# Altium PCB main.PcbDoc (part 1 of 2) (continued)
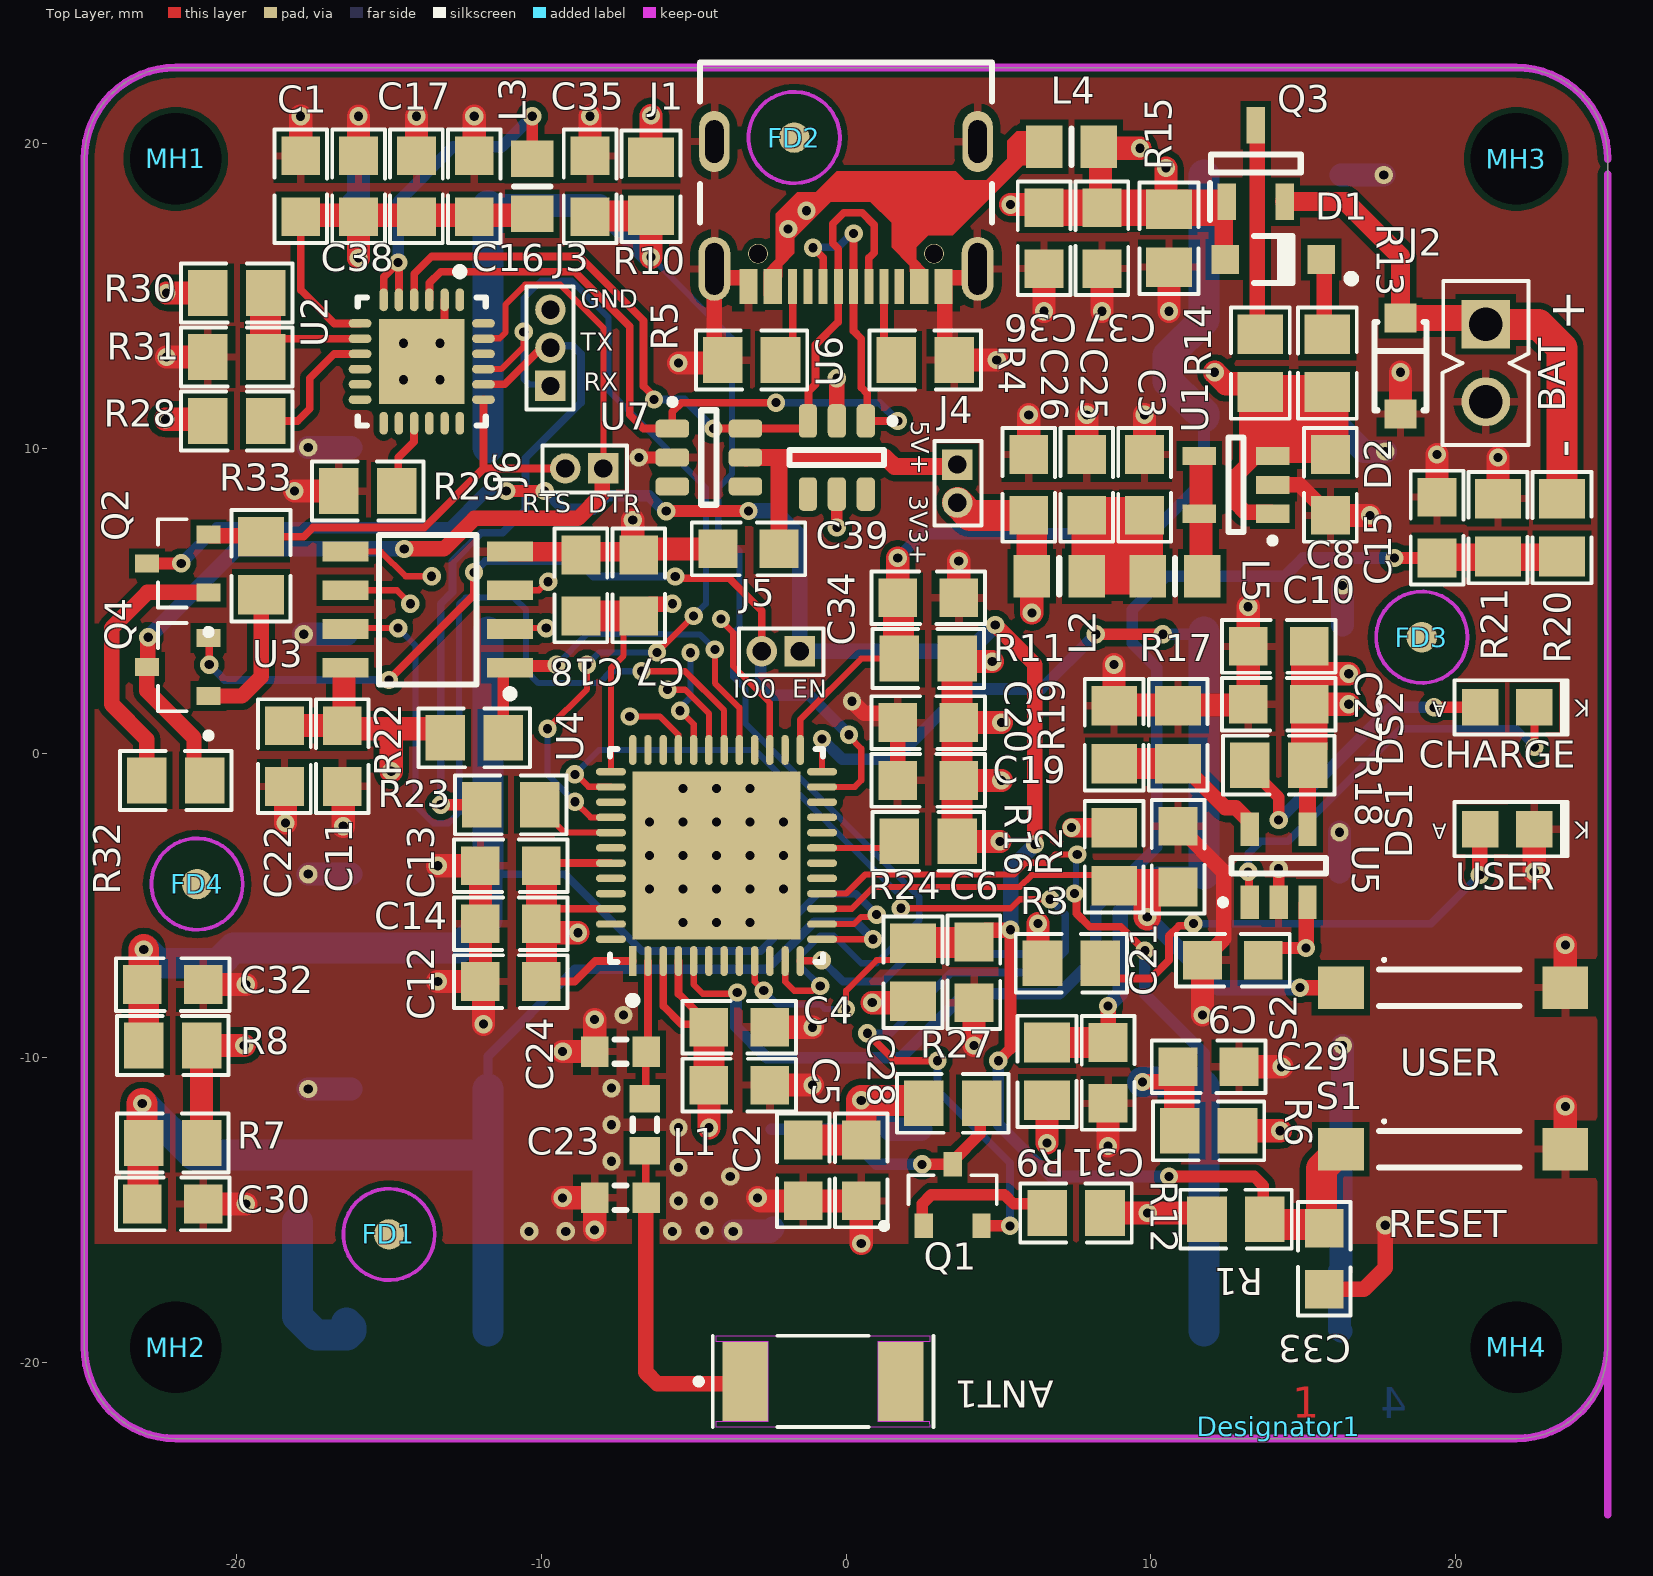
[diagram p0: Top Layer view]
## Board outline (continued)

## Design rules (kind name [scope] priority, off if disabled: settings)
Clearance [All] p1: gap=0.152 ignorepadtopadclearanceinfootprint=FALSE
HoleSize [All] p1: absolutevalues=TRUE maxlimit=25.4 minlimit=0.025 maxpercent=80.000 minpercent=20.000
MaxMinImpedance MaxMinImpedance_3 [InNet('GPIO8')] p1: minimum=48.00 maximum=52.00
MaxMinImpedance MaxMinImpedance_2 [InNet('GPIO7')] p2: minimum=48.00 maximum=52.00
MaxMinImpedance MaxMinImpedance_1 [InNet('CLK')] p3: minimum=48.00 maximum=52.00
MaxMinImpedance [InNet('GPIO10')] p4: minimum=48.00 maximum=52.00
MinimumSolderMaskSliver [All] p1: minsoldermaskwidth=0.071
PlaneConnect [All] p1: planeconnectstyle=Direct reliefexpansion=0.508 reliefentries=4 reliefconductorwidth=0.254 reliefairgap=0.254
PolygonConnect PolygonConnect_1 [IsPad] p1: connectstyle=Relief reliefconductorwidth=0.254 reliefentries=4 polygonreliefangle="90 Angle" airgapwidth=0.254
PolygonConnect [IsVia] p2: connectstyle=Direct reliefconductorwidth=0.254 reliefentries=4 polygonreliefangle="90 Angle" airgapwidth=0.254
RoutingVias [All] p1: holewidth=0.508 width=0.762 viastyle="Through Hole" minholewidth=0.254 minwidth=0.254 maxholewidth=0.762 maxwidth=1.27
SilkToSilkClearance [All] p1: silktosilkclearance=0.102
SilkToSolderMaskClearance [IsText] p1: minsilkscreentomaskgap=0.102 clearancetoexposedcopper=TRUE
SolderMaskExpansion [All] p1: expansion=0.102 istentingtop=FALSE
Width [All] p1: maxlimit=1.016 minlimit=0.102 preferedwidth=0.152
25 further rules are at their usual default settings.

## Classes and differential pairs
component class POWER-BATTERY: C3 C8 C9 C10 C15 C25 C26 C27 D1 D2 DS2 J2 L2 L5 Q3 R13 R14 R15 R17 R18 R19 R20 R21 U1 U5
component class SERIAL-CHIP: C1 C16 C17 C36 C37 C38 C39 J1 J3 J4 J5 J6 L3 L4 Q2 Q4 R4 R5 R28 R29 R30 R31 R32 R33 U2 U6 U7
component class RESET-SWITCHES: C2 C28 C29 C30 C31 C32 C33 C34 C35 FD1 FD2 FD3 FD4 LED1 MH1 MH2 MH3 MH4 Q1 R1 R6 R7 R8 R9 R10 R11 R12 R27 S1 S3 S4 S5 S6 S7 S8
component class ESP32-PICO-D4-MCU: ANT1 C4 C5 C6 C7 C11 C12 C13 C14 C18 C19 C20 C21 C22 C23 C24 DS1 L1 R2 R3 R16 R22 R23 R24 S2 U3 U4

## Components (designator, comment, footprint, x,y, rotation, side; value= is the part's Value field where it differs from the comment)
ANT1 "Fractus Antenna" Fractus_Antenna_NN01-102 -0.6,-20.6 r0 top
C1 "0.1uF" CAP_0805 -17.9,18.6 r270 top
C2 "0.1uF" CAP_0805 -1.4,-13.7 r90 top
C3 "10uF" CAP_0805 9.8,8.8 r270 top
C4 "0.1uF" CAP_0805 -3.5,-9 r180 top
C5 "0.1uF" CAP_0805 -3.5,-10.9 r180 top
C6 "1uF" CAP_0805 4.2,-7.2 r90 top
C7 "0.1uF" CAP_0805 -6.8,5.5 r270 top
C8 "10uF" CAP_0805 15.9,8.8 r90 top
C9 "10uF" CAP_0805 12.7,-6.8 r0 top
C10 "10uF" CAP_0805 14.2,3.5 r0 top
C11 "10uF" CAP_0805 -16.531,-0.1 r90 top locked
C12 "0.1uF" CAP_0805 -11,-7.5 r0 top
C13 "0.1uF" CAP_0805 -11,-3.7 r0 top
C14 "0.1uF" CAP_0805 -11,-5.6 r0 top
C15 "0.1uF" CAP_0805 19.4,7.4 r270 top
C16 "4.7uF" CAP_0805 -12.2,18.6 r270 top
C17 "0.1uF" CAP_0805 -14.1,18.6 r270 top
C18 "10uF" CAP_0805 -8.7,5.5 r270 top
C19 "10uF" CAP_0805 2.7,-0.9 r0 top
C20 "0.1uF" CAP_0805 2.7,1 r0 top
C21 "0.1uF" CAP_0805 10.9,-3.4 r270 top
C22 "0.1uF" CAP_0805 -18.431,-0.1 r90 top
C23 "1.2pF" CAPC1608N -7.4,-14.6 r0 top
C24 "1.5pF" CAPC1608N -7.4,-9.8 r0 top
C25 "0.1uF" CAP_0805 7.9,8.8 r270 top
C26 "0.1uF" CAP_0805 6,8.8 r270 top
C27 "0.1uF" CAP_0805 14.2,1.6 r0 top
C28 "10uF" CAP_0805 0.5,-13.7 r90 top
C29 "0.1uF" CAP_0805 11.9,-10.3 r180 top
C30 "0.1uF" CAP_0805 -22.1,-14.8 r180 top
C31 "0.1uF" CAP_0805 8.6,-10.5 r90 top
C32 "0.1uF" CAP_0805 -22.1,-7.6 r180 top
C33 "0.1uF" CAP_0805 15.7,-16.6 r90 top
C34 "0.1uF" CAP_0805 2.7,5.1 r180 top
C35 "0.1uF" CAP_0805 -8.4,18.6 r270 top
C36 "4.7uF" CAP_0805 6.5,16.9 r90 top
C37 "0.1uF" CAP_0805 8.4,16.9 r90 top
C38 "1uF" CAP_0805 -16,18.6 r270 top
C39 "0.1uF" CAP_0805 -3.2,6.7 r0 top
D1 "B130LAW-7-F" "SOD123 - DOT" 14.025,16.2 r0 top
D2 "P4SMF6.0A" SOD123FL 18.2,12.7 r90 top
Designator1 "Comment" "Mark 4-layers" 14.2,-22.1 r0 top net-tie
DS1 "LED BLUE" LED_0805 21.7,-2.5 r180 top
DS2 "LED ORANGE" LED_0805 21.7,1.5 r180 top
FD1 "Fiducial" FIDUCIAL-TB-1mm -15,-15.8 r0 top
FD2 "Fiducial" FIDUCIAL-TB-1mm -1.7,20.2 r0 top
FD3 "Fiducial" FIDUCIAL-TB-1mm 18.9,3.8 r0 top
FD4 "Fiducial" FIDUCIAL-TB-1mm -21.3,-4.3 r0 top
J1 "USB4105-GF-A" CON_USB_C_USB2.0_USB4105-GF-A -2.083,19.41 r180 top locked
J2 "BERSTICK 2.5MM, MALE" CON2_100_43D62_TH_ST 21,12.8 r270 top
J3 "1.25MM STARIGHT" CON3_probing_1.25mm -9.7,13.3 r90 top
J4 "653002114822" CON2_probing_1.25mm 3.656,8.844 r270 top
J5 "653002114822" CON2_probing_1.25mm -2.141,3.34 r180 top
J6 "653002114822" CON2_probing_1.25mm -8.589,9.34 r180 top
L1 "1.8nH" RESC1608N -6.6,-12.2 r90 top value=MPZ1608S601A
L2 "MH2029-601Y" INDC2012N 7,5.8 r180 top value=MPZ1608S601A
L3 "MH2029-601Y" INDC2012N -10.3,18.6 r90 top value=MPZ1608S601A
L4 "MH2029-601Y" INDC2012N 7.4,19.9 r0 top value=MPZ1608S601A
L5 "MBKK2012T1R0M" INDC2012N 10.8,5.8 r180 top value=MPZ1608S601A
LED1 "WS2812B" WS2812B 0,-14 r0 bottom
MH1 "Mounting Hole" MOUNTING-NO-COPPER#1 40.325,-19.452 r0 top
MH2 "Mounting Hole" MOUNTING-NO-COPPER#2 -17.841,-20.087 r0 top
MH3 "Mounting Hole" MOUNTING-NO-COPPER#3 21.91,-3.704 r0 top
MH4 "Mounting Hole" MOUNTING-NO-COPPER#4 17.211,-20.341 r0 top
Q1 "SS8050-G" TRANS_NPN_SS8050-G 3.278,-14.643 r90 top
Q2 "SS8050-G" TRANS_NPN_SS8050-G -21.8,6 r180 top
Q3 "MOSFET-P-30V-4A-AO3401A" P_channelMos_AO3401A 13.298,20.442 r90 top
Q4 "SS8050-G" TRANS_NPN_SS8050-G -21.8,2.6 r180 top
R1 "10K" RES_0805 12.8,-15.3 r180 top
R2 "10K" RES_0805 8.8,-3.4 r270 top
R3 "100R" RES_0805 7.4,-6.9 r180 top
R4 "5K1" RES_0805 2.6,12.9 r180 top
R5 "5K1" RES_0805 -3.1,12.9 r0 top
R6 "10K" RES_0805 11.9,-12.4 r180 top
R7 "10K" RES_0805 -22.1,-12.8 r180 top
R8 "10K" RES_0805 -22.1,-9.6 r180 top
R9 "10K" RES_0805 6.6,-10.45 r90 top
R10 "10K" RES_0805 -6.4,18.6 r270 top
R11 "10K" RES_0805 2.7,3.1 r180 top
R12 "1K" RES_0805 7.55,-15.1 r180 top
R13 "0R" RES_0805 15.8,12.8 r270 top
R14 "0R" RES_0805 13.6,12.8 r90 top
R15 "100K" RES_0805 10.6,16.9 r270 top
R16 "0R" RES_0805 2.7,-2.9 r0 top
R17 "10K" RES_0805 10.9,0.6 r270 top
R18 "2K2" RES_0805 14.2,-0.4 r0 top
R19 "2K2" RES_0805 8.8,0.6 r270 top
R20 "442k" RES_0805 23.5,7.4 r270 top
R21 "160k" RES_0805 21.4,7.4 r90 top
R22 "10K" RES_0805 -12.2,0.5 r0 top
R23 "510R" RES_0805 -11,-1.7 r0 top
R24 "100K" RES_0805 2.2,-7.2 r90 top
R27 "10K" RES_0805 3.5,-11.5 r0 top
R28 "5K1" RES_0805 -20,10.9 r0 top
R29 "10K" RES_0805 -15.7,8.6 r180 top
R30 "22K1" RES_0805 -20,15.1 r0 top
R31 "47K5" RES_0805 -20,13 r0 top
R32 "10K" RES_0805 -22,-0.9 r180 top
R33 "10K" RES_0805 -19.2,6.15 r270 top
S1 "Button Tactile Switch, NO 0.05 A 0.8mm" Button8014X17N 19.8,-13 r0 top
S2 "Button Tactile Switch, NO 0.05 A 0.8mm" Button8014X17N 19.8,-7.7 r0 top
S3 "PTS645SM43SMTR92LFS" "C&K_0_MFG - duplicate" 14,-15 r270 bottom locked
S4 "PTS645SM43SMTR92LFS" "C&K_0_MFG - duplicate" -14,-15 r90 bottom locked
S5 "PTS645SM43SMTR92LFS" "C&K_0_MFG - duplicate" -14,0 r90 bottom locked
S6 "PTS645SM43SMTR92LFS" "C&K_0_MFG - duplicate" 14,0 r270 bottom locked
S7 "PTS645SM43SMTR92LFS" "C&K_0_MFG - duplicate" -14,14 r90 bottom locked
S8 "PTS645SM43SMTR92LFS" "C&K_0_MFG - duplicate" 14,15 r270 bottom locked
U1 "SC189ZSKTRT" SOT23-5 12.8,8.8 r180 top
U2 "CP2102N-A02-GQFN24" QFN24-4X4 -13.925,12.85 r270 top
U3 "RAM_LY68L6400" SOP-8 -13.731,4.705 r180 top
U4 "ESP32-PICO-D4" Espressif_Systems_0_IPC_A -4.25,-3.363 r90 top
U5 "IC_MCP73831T-2ATI-OT_lipo_charger" SOT23-5 14.2,-3.7 r90 top
U6 "ESDALD05UD4" SOT26A-6N -0.3,9.7 r270 top
U7 "TPS2514DBVT" SOT26A-6N -4.5,9.7 r0 top

## Footprints (in the part's own frame and the unit in brackets; to place one, negate y for a bottom-side part, rotate by r counter-clockwise, add the part's x,y. Pads: shape width x height; smd on the part's side, far side on the other; paste and mask are expansions set on the pad)
Button8014X17N [mm] "Chip Inductor, 2-Leads, Body 8.00x1.40mm, IPC Medium Density"
  rect 1.5x1.4 smd: 1(-3.556,0) 2(3.81,0)
  silkscreen extent -2.3,-0.6 2.3,0.96, body extent -3.79,-1.92 4.21,1.78, height 2.5
"C&K_0_MFG - duplicate" [mm]
  rect 1.55x1.3 smd paste+0 mask+0: 1(-3.975,2.25) 2(3.975,2.25) 3(-3.975,-2.25) 4(3.975,-2.25)
  silkscreen extent -5.52,-3 3,3, body extent -4.5,-3.02 4.5,2.98, height 4.4
CAP_0805 [mm] "Ceramic Capacitor"
  rect 1.27x1.27 smd mask+0.076: 1(-1,0) 2(1,0)
  silkscreen extent -1.86,-0.86 1.86,0.86, body extent -1,-0.62 1,0.63, height 0.78
CAPC1608N [mm] "Chip Capacitor, Body 1.6x0.8mm(0603), IPC Medium Density"
  rect 0.9x1 smd: 1(-0.85,0) 2(0.85,0)
  silkscreen extent -0.2,-0.4 0.2,0.4, body extent -0.81,-0.4 0.79,0.4, height 0.87
CON2_100_43D62_TH_ST [mm] "Berg Strip"
  rect 1.6x1.6 hole 1.1: 1(-1.27,0)
  round 1.6 hole 1.1: 2(1.27,0)
  silkscreen extent -2.69,-1.42 2.69,1.4, body extent -2.54,-1.27 2.54,1.27, height 8.54
CON2_probing_1.25mm [mm] "Wurth Connector"
  rect 1x1 hole 0.6 mask+0.051: 1(-0.625,0)
  round 1 hole 0.6 mask+0.051: 2(0.625,0)
  silkscreen extent -1.4,-0.75 1.37,0.79
CON3_probing_1.25mm [mm] "Wurth Connector"
  rect 1x1 hole 0.6 mask+0.051: 1(-1.25,0)
  round 1 hole 0.6 mask+0.051: 2(0,0) 3(1.25,0)
  silkscreen extent -2.02,-0.75 2.01,0.79
CON_USB_C_USB2.0_USB4105-GF-A [mm]
  rect 0.6x1.15 smd: A1_B12(-5.283,4.095) A4_B9(-4.483,4.095) B1_A12(1.117,4.095) B4_A9(0.317,4.095)
  rect 0.3x1.15 smd: A5(-3.333,4.095) A6(-2.333,4.095) A7(-1.833,4.095) A8(-0.833,4.095) B5(-0.333,4.095) B6(-1.333,4.095) B7(-2.833,4.095) B8(-3.833,4.095)
  oval 1.05x2.1 hole 0.6 slot 1.7 at 90 deg: S1(-6.403,3.52) S4(2.237,3.52)
  oval 1x2 hole 0.6 slot 1.4 at 90 deg: S2(-6.403,-0.66) S3(2.237,-0.66)
  round 0.65 hole 0.6 unplated: ""(-4.973,3.02) ""(0.807,3.02)
  silkscreen extent -6.87,-3.26 2.71,1.99, body extent -6.85,-3.45 2.73,4.26, height 3.31
Espressif_Systems_0_IPC_A [mm] "QFN, 48-Leads, Body 6x6 mm, Pitch 0.4mm, IPC Medium Density"
  rect 0.985x0.242 smd paste+0 mask+0: 1(-3.463,2.75)
  rrect100% 0.985x0.242 smd paste+0 mask+0: 2(-3.463,2.25) 3(-3.463,1.75) 4(-3.463,1.25) 5(-3.463,0.75) 6(-3.463,0.25) 7(-3.463,-0.25) 8(-3.463,-0.75) 9(-3.463,-1.25) 10(-3.463,-1.75) 11(-3.463,-2.25) 12(-3.463,-2.75) 25(3.463,-2.75) 26(3.463,-2.25) 27(3.463,-1.75) 28(3.463,-1.25) 29(3.463,-0.75) 30(3.463,-0.25) 31(3.463,0.25) 32(3.463,0.75) 33(3.463,1.25) 34(3.463,1.75) 35(3.463,2.25) 36(3.463,2.75)
  rrect100% 0.242x0.985 smd paste+0 mask+0: 13(-2.75,-3.463) 14(-2.25,-3.463) 15(-1.75,-3.463) 16(-1.25,-3.463) 17(-0.75,-3.463) 18(-0.25,-3.463) 19(0.25,-3.463) 20(0.75,-3.463) 21(1.25,-3.463) 22(1.75,-3.463) 23(2.25,-3.463) 24(2.75,-3.463) 37(2.75,3.463) 38(2.25,3.463) 39(1.75,3.463) 40(1.25,3.463) 41(0.75,3.463) 42(0.25,3.463) 43(-0.25,3.463) 44(-0.75,3.463) 45(-1.25,3.463) 46(-1.75,3.463) 47(-2.25,3.463) 48(-2.75,3.463)
  rect 5.5x5.5 smd paste-1000 mask+0: 49(0,0)
  silkscreen extent -4.88,-3.5 3.5,3.5, body extent -4.46,-4.46 4.46,4.46, height 0.25
FIDUCIAL-TB-1mm [mm]
  round 1 all layers, no hole paste+0 mask+1: 0(0,0)
  Top Layer keep-out circle w0.127: c0,0 r1.5
  Bottom Layer keep-out circle w0.127: c0,0 r1.5
Fractus_Antenna_NN01-102 [mm]
  rect 1.5x2.6 smd: 1(-2.702,-0.025) 2(2.398,-0.025)
  Keep-Out Layer region: 3.348,1.275 1.648,1.275 1.648,-1.325 3.338,-1.325 3.348,-1.525 -3.652,-1.525 -3.652,-1.325 -1.952,-1.325 -1.952,1.275 -3.652,1.275 -3.652,1.475 3.348,1.475
  Keep-Out Layer region: 3.348,1.275 1.648,1.275 1.648,-1.325 3.338,-1.325 3.348,-1.525 -3.652,-1.525 -3.652,-1.325 -1.952,-1.325 -1.952,1.275 -3.652,1.275 -3.652,1.475 3.348,1.475
  silkscreen extent -4.33,-1.53 3.47,1.47, body extent -3.65,-1.53 3.35,1.47, height 2.2
INDC2012N [mm] "Chip Inductor, Body 2.0x1.3mm(0805), IPC Medium Density"
  rect 1.2x1.4 smd: 1(-0.9,0) 2(0.9,0)
  silkscreen extent 0,-0.6 0,0.6, body extent -1.02,-0.64 0.98,0.61, height 0.98
LED_0805 [mm] "LED"
  rect 1.2x1.2 smd mask+0.076: A(0.889,0) K(-0.889,0)
  silkscreen extent -1.99,-0.89 1.73,0.89, body extent -1.01,-0.62 1.01,0.63, height 1.1
"Mark 4-layers" [mm]
  Multi-Layer pour cut-out: 0,1.561 4.535,1.561 4.535,0 0,0
MOUNTING-NO-COPPER#1 [mm] "MH"
  round 0 hole 3: 1(-62.325,38.952)
MOUNTING-NO-COPPER#2 [mm] "MH"
  round 0 hole 3: 1(-4.159,0.587)
MOUNTING-NO-COPPER#3 [mm] "MH"
  round 0 hole 3: 1(0.09,23.204)
MOUNTING-NO-COPPER#4 [mm] "MH"
  round 0 hole 3: 1(4.789,0.841)
P_channelMos_AO3401A [mm]
  rect 1.2x0.6 smd: 1(-2.342,0.798) 2(-2.342,-1.102) 3(0.158,-0.152)
  silkscreen extent -2.94,-1.63 -0.79,1.35, body extent -2.62,-1.7 0.38,1.4, height 1.25
QFN24-4X4 [mm] "QFN, 24-Leads, Body 4x4mm, Pitch 0.5mm, IPC Medium Density"
  oval 0.75x0.28 smd: 1(-2.025,1.25) 2(-2.025,0.75) 3(-2.025,0.25) 4(-2.025,-0.25) 5(-2.025,-0.75) 6(-2.025,-1.25) 13(2.025,-1.25) 14(2.025,-0.75) 15(2.025,-0.25) 16(2.025,0.25) 17(2.025,0.75) 18(2.025,1.25)
  oval 0.28x0.75 smd: 7(-1.25,-2.025) 8(-0.75,-2.025) 9(-0.25,-2.025) 10(0.25,-2.025) 11(0.75,-2.025) 12(1.25,-2.025) 19(1.25,2.025) 20(0.75,2.025) 21(0.25,2.025) 22(-0.25,2.025) 23(-0.75,2.025) 24(-1.25,2.025)
  rect 2.8x2.8 smd: 25(0,0)
  silkscreen extent -3.07,-2.1 2.1,2.1, body extent -1.99,-1.99 2.01,2.01, height 1
RES_0805 [mm] "Resister"
  rect 1.3x1.5 smd mask+0.076: 1(0.95,0) 2(-0.95,0)
  silkscreen extent -1.83,-0.97 1.83,0.97, body extent -1,-0.63 1,0.62, height 0.5
RESC1608N [mm] "Chip Resistor, Body 1.6x0.8mm(0603), IPC Medium Density"
  rect 0.9x1 smd: 1(-0.85,0) 2(0.85,0)
  silkscreen extent -0.2,-0.4 0.2,0.4, body extent -0.84,-0.4 0.76,0.4, height 0.45
"SOD123 - DOT" [mm] "SOD123, 2-Leads, Body 2.7x1.55mm, Height 1.45mm"
  rect 0.9x0.95 smd: 1(-1.575,0) 2(1.575,0)
  silkscreen extent -0.64,-0.82 2.69,0.77, body extent -1.85,-0.8 1.85,0.8, height 1.27
SOD123FL [mm]
  rect 0.95x1.05 smd: 1(-1.575,0) 2(1.575,0)
  silkscreen extent -1.45,-0.85 1.45,0.85, body extent -1.8,-0.83 1.8,0.82, height 0.95
SOP-8 [mm]
  rect 1.5x0.65 smd: 1(-2.7,1.905) 2(-2.7,0.635) 3(-2.7,-0.635) 4(-2.7,-1.905) 5(2.7,-1.905) 6(2.7,-0.635) 7(2.7,0.635) 8(2.7,1.905)
  silkscreen extent -2.82,-2.45 1.6,2.89, body extent -3,-2.45 3,2.45, height 1.75
SOT23-5 [mm]
  rect 1.1x0.6 smd: 1(-1.2,0.95) 2(-1.2,0) 3(-1.2,-0.95) 4(1.2,-0.95) 5(1.2,0.95)
  silkscreen extent -1.3,-1.55 0.25,1.92, body extent -1.5,-1.5 1.5,1.5, height 1.3
SOT26A-6N [mm] "SOT23, 6-Leads, Body 2.9x1.7mm, Pitch 0.95mm, Lead Span 2.8mm, IPC Medium Density"
  rrect50% 1.1x0.6 smd: 1(-1.2,0.95) 2(-1.2,0) 3(-1.2,-0.95) 4(1.2,-0.95) 5(1.2,0) 6(1.2,0.95)
  silkscreen extent -1.3,-1.55 0.25,1.92, body extent -1.5,-1.55 1.5,1.55, height 1.4
TRANS_NPN_SS8050-G [mm]
  rect 0.8x0.6 smd: 1(-0.877,0.728) 2(-0.877,-1.172) 3(1.143,-0.222)
  silkscreen extent -0.98,-1.67 0.78,2.13, body extent -1.07,-1.67 1.33,1.23, height 1.14
WS2812B [mm]
  rect 1.5x0.9 smd: 1(2.45,-1.65) 2(2.45,1.65) 3(-2.45,1.65) 4(-2.45,-1.65)
  silkscreen extent -2.5,-2.5 2.5,2.5, body extent -2.7,-2.5 2.7,2.5, height 1.59

## Part data
ANT1: library part ANT_2.45GHz_Bluetooth_WLAN_Zigbee_1.7dBi_NN01-102, "2.45GHz Bluetooth, WLAN, Zigbe Chip RF Antenna 2.4GHz ~ 2.5GHz 1.7dBi Solder Surface Mount"
C1 C2 C4 C5 C7 C12 C13 C14 C17 C20 C21 C22 C29 C30 C31 C32 C33 C34 C35 C37 C39: library part CAP_0.1uF-50V-10%-0805, "0.1µF ±10% 50V Ceramic Capacitor X7R 0805 (2012 Metric)", Alternate Part Number-1=NA, Case/Package=0805, Manufacturer=Samsung, Manufacturer Part Number=CL21B104KBCNNNC, Supplier Part Number-1=0805B104K500CT, Supplier-1=SIRICOM
C3 C6 C8 C23 C24 C38: library part CAP_1uF-50V-10%-0805_1, "1µF ±10% 50V Ceramic Capacitor X7R 0805 (2012 Metric)", Alternate Part Number-1=NA, Case/Package=0805, Manufacturer=Samsung, Manufacturer Part Number=CL21B104KBCNNNC, Supplier Part Number-1=0805B104K500CT, Supplier-1=SIRICOM
C9 C10 C11 C18 C19 C28: library part CAP_10uF-50V-10%-0805_1, "10µF ±10% 50V Ceramic Capacitor X7R 0805 (2012 Metric)", Alternate Part Number-1=NA, Case/Package=0805, Manufacturer=Samsung, Manufacturer Part Number=CL21B104KBCNNNC, Supplier Part Number-1=0805B104K500CT, Supplier-1=SIRICOM
C15 C25 C26 C27: library part CAP_0.1uF-50V-20%-0805, "0.1µF ±20% 50V Ceramic Capacitor X7R 0805 (2012 Metric)", Alternate Part Number-1=NA, Case/Package=0805, Manufacturer="Samsung Electro-Mechanics", Manufacturer Part Number=CL21B104MBCNNNC, Supplier Part Number-1=0805B104K500CT, Supplier-1=SIRICOM
C16 C36: library part CAP_1uF-50V-10%-0805_1, "4.7µF ±10% 50V Ceramic Capacitor X7R 0805 (2012 Metric)", Alternate Part Number-1=NA, Case/Package=0805, Manufacturer=Samsung, Manufacturer Part Number=CL21B104KBCNNNC, Supplier Part Number-1=0805B104K500CT, Supplier-1=SIRICOM
D1: library part "D Schottky", "Schottky Diode", Code_JEDEC=DO-214-AA, LatestRevisionDate=17-Jul-2002, LatestRevisionNote="Re-released for DXP Platform.", PackageDescription="DO-214-AA/SMB; 2 C-Bend Leads; Body 5.3 x 3.6 mm, inc. leads (LxW)", PackageReference=SMB, Published=8-Jun-2000, Publisher="Altium Limited"
D2: library part TVS-UNIDIRECTIONAL
DS1: library part LED_BLUE-3V3-20mA-0805, "Blue 470nm LED Indication - Discrete 3.3V 0805 (2012 Metric)", Alternate Part Number-1=NA, Case/Package=0805, Manufacturer="Vishay Lite-On", Manufacturer Part Number=LTST-C171TBKT, Supplier Part Number-1=LTST-C171TBKT, Supplier-1="SP ROAD"
DS2: library part LED_ORANGE-2V-20mA-0805, "Orange 605nm LED Indication - Discrete 2V 0805 (2012 Metric)", Alternate Part Number-1=NA, Case/Package=0805, Manufacturer="Vishay Lite-On", Manufacturer Part Number=LTST-C170KFKT, Supplier Part Number-1=LTST-C170KFKT, Supplier-1="SP ROAD"
FD1 FD2 FD3 FD4: "Fiducial mark", Manufacturer=N/A, ClassName=FiducialMark, CompType=Fiducial, LatestRevisionDate=2013-07-11, LatestRevisionNote="Added Alternate PartNumber and Alternate Manufacturer parameters to appropriate components.", MountType=N/A, PackageReference=Fiducial, PartNumber=N/A, Publisher="Texas Instruments", SymbolCreator=codlsc, SymbolVersion=2009-11-4
J1: library part CON_USB_C_USB2.0_USB4105-GF-A
J2: library part CON-BS-PLG_2X1-100-ST-TH, "2 Pins, 1 Row 2.54mm Pitch, Straight bergstrip, Male", Alternate Part Number-1=NA, Case/Package=TH-CON, Manufacturer=Samtec, Manufacturer Part Number=NA, Supplier Part Number-1=NA, Supplier-1="SP ROAD"
J3: library part CON-3-1.25MM-PROBING, "3 Pins, 1 Row 1.25mm Pitch, straight Connector, male", Alternate Part Number-1=NA, Case/Package=TH-CON, Crimp Part Number=653153128130, Manufacturer=WURTH, Manufacturer Part Number=653003114822, Mating Part Number=653003113322, Supplier Part Number-1=653003114822, Supplier-1=WURTH
J4 J5 J6: library part CON-2-1.25MM-PROPING, "2 Pins, 1 Row 1.25mm Pitch, Straight Connector, male", Alternate Part Number-1=NA, Case/Package=TH-CON, Crimp Part Number=653153128130, Manufacturer=JST, Mating Part Number=653002113322, Manufacturer Part Number=653002114822, Supplier Part Number-1=653002114822, Supplier-1=WURTH
L1 L2 L3 L4: library part Inductor, "Inductor", Code_IEC=1005, Code_JEITA=0402, LatestRevisionDate=17-Jul-2002, LatestRevisionNote="Re-released for DXP Platform.", PackageReference=0402-A, Published=8-Jun-2000, Publisher="Altium Limited"
L5: library part Inductor, "1 µH Shielded Drum Core, Wirewound Inductor 1.45 A 106mOhm Max 0805 (2012 Metric)", Code_IEC=1005, Code_JEITA=0402, LatestRevisionDate=17-Jul-2002, LatestRevisionNote="Re-released for DXP Platform.", PackageReference=0402-A, Published=8-Jun-2000, Publisher="Altium Limited"
LED1: "Raspberry Pi HAT _40 pin_ Wheeled Robotics Kit", Package=None, Availability=Unavailable, MF="SparkFun Electronics", MP=WS2812B, price=None, SnapEDA_Link=https://www.snapeda.com/parts/WS2812B/Worldsemi/view-part/1038297/?ref=snap
MH1 MH2 MH3 MH4: library part MH_3H_ONLY_1, Alternate Part Number-1=NA, Case/Package=TH, Manufacturer=NA, Manufacturer Part Number=NA, Supplier Part Number-1=NA, Supplier-1=NA
Q1 Q2 Q4: library part TRANS_NPN_SS8050-G, "Bipolar (BJT) Transistor NPN 25 V 1.5 A 100MHz 300 mW Surface Mount SOT-23-3"
Q3: "30V P-Channel MOSFET 4A Rdson = 85 mOhms"
R1 R2 R6 R7 R8 R9 R10 R11 R17 R22 R29 R32 R33: library part RES_10K-0.125W-1%-0805, "10 kOhms ±1% 0.125W, 1/8W Chip Resistor 0805 (2012 Metric) Automotive AEC-Q200 Thick Film", Alternate Part Number-1=WR08X1002FTL, Case/Package=0805, Manufacturer=CTS, Manufacturer Part Number=WR08X1002FTL, Supplier Part Number-1=WR08X1002FTL, Supplier-1=SIRICOM
R3: library part RES_100R-0.125W-1%-0805, "100 Ohms ±1% 0.125W, 1/8W Chip Resistor 0805 (2012 Metric) Automotive AEC-Q200, Pulse Withstanding Thick Film", Alternate Part Number-1=WR08X1000FTL, Case/Package=0805, Manufacturer=Walsin, Manufacturer Part Number=WR08X1000FTL, Supplier Part Number-1=WR08X1000FTL, Supplier-1=SIRICOM
R4 R5 R28: library part RES_5.1K-0.125W-1%-0805, "5.1 kOhms ±1% 0.125W, 1/8W Chip Resistor 0805 (2012 Metric) Moisture Resistant Thick Film", Alternate Part Number-1=NA, Case/Package=0805, Manufacturer="Stackpole Electronics", Manufacturer Part Number=RC0805FR-075K9L, Supplier Part Number-1=WR08X5901FTL, Supplier-1=SIRICOM
R12: library part RES_330R-0.125W-1%-0805, "1 KOhms ±1% 0.125W, 1/8W Chip Resistor 0805 (2012 Metric) Automotive AEC-Q200 Thick Film", Alternate Part Number-1=NA, Case/Package=0805, Manufacturer=Walsin, Manufacturer Part Number=WR08X3300FTL, Supplier Part Number-1=WR08X3300FTL, Supplier-1=SIRICOM
R13 R14 R16: library part RES_0R-0.125W-1%-0805, "0 Ohms Jumper 0.125W, 1/8W Chip Resistor 0805 (2012 Metric) Automotive AEC-Q200 Thick Film", Alternate Part Number-1=WR08X000PTL, Case/Package=0805, Manufacturer=Walsin, Manufacturer Part Number=WR08X000PTL, Supplier Part Number-1=WR08X000PTL, Supplier-1=SIRICOM
R15: library part RES_100K-0.125W-1%-0805, "100 kOhms ±1% 0.125W, 1/8W Chip Resistor 0805 (2012 Metric) Automotive AEC-Q200 Thick Film", Alternate Part Number-1=NA, Case/Package=0805, Manufacturer=Walsin, Manufacturer Part Number=WR08X1003FTL, Supplier Part Number-1=WR08X1003FTL, Supplier-1=SIRICOM
R18 R19: library part RES_2.2K-0.125W-1%-0805, "2.2 kOhms ±1% 0.125W, 1/8W Chip Resistor 0805 (2012 Metric) Thick Film", Alternate Part Number-1=CR0805F82201G, Case/Package=0805, Manufacturer="Stackpole Electronics", Manufacturer Part Number=CRG0805F2K2, Supplier Part Number-1=WR08X2201FTL, Supplier-1=SIRICOM
R20: library part RES_442K-0.125W-1%-0805_1, "442kOhms ±1% 0.125W, 1/8W Chip Resistor 0805 (2012 Metric) Thick Film", Alternate Part Number-1=NA, Case/Package=0805, Manufacturer="TE Connectivity Passive Product", Manufacturer Part Number=CRG0805F1K5, Supplier Part Number-1=NA, Supplier-1=SIRICOM
R21: library part RES_160K-0.125W-1%-0805_1_1, "160kOhms ±1% 0.125W, 1/8W Chip Resistor 0805 (2012 Metric) Thick Film", Alternate Part Number-1=NA, Case/Package=0805, Manufacturer="TE Connectivity Passive Product", Manufacturer Part Number=CRG0805F1K5, Supplier Part Number-1=NA, Supplier-1=SIRICOM
R23: library part RES_510R-0.125W-1%-0805, "510 Ohms ±1% 0.125W, 1/8W Chip Resistor 0805 (2012 Metric) Thin Film", Alternate Part Number-1=NA, Case/Package=0805, Manufacturer=Yageo, Manufacturer Part Number=RT0805FRE07510RL, Supplier Part Number-1=WR08X5100FTL, Supplier-1=SIRICOM
R24: library part RES_10K-0.125W-1%-0805, "100 kOhms ±1% 0.125W, 1/8W Chip Resistor 0805 (2012 Metric) Automotive AEC-Q200 Thick Film", Alternate Part Number-1=WR08X1002FTL, Case/Package=0805, Manufacturer=CTS, Manufacturer Part Number=WR08X1002FTL, Supplier Part Number-1=WR08X1002FTL, Supplier-1=SIRICOM
R27: library part RES_330R-0.125W-1%-0805, "10 KOhms ±1% 0.125W, 1/8W Chip Resistor 0805 (2012 Metric) Automotive AEC-Q200 Thick Film", Alternate Part Number-1=NA, Case/Package=0805, Manufacturer=Walsin, Manufacturer Part Number=WR08X3300FTL, Supplier Part Number-1=WR08X3300FTL, Supplier-1=SIRICOM
R30: library part RES_5.1K-0.125W-1%-0805, "22K1 kOhms ±1% 0.125W, 1/8W Chip Resistor 0805 (2012 Metric) Moisture Resistant Thick Film", Alternate Part Number-1=NA, Case/Package=0805, Manufacturer="Stackpole Electronics", Manufacturer Part Number=RC0805FR-075K9L, Supplier Part Number-1=WR08X5901FTL, Supplier-1=SIRICOM
R31: library part RES_5.1K-0.125W-1%-0805, "47K5 kOhms ±1% 0.125W, 1/8W Chip Resistor 0805 (2012 Metric) Moisture Resistant Thick Film", Alternate Part Number-1=NA, Case/Package=0805, Manufacturer="Stackpole Electronics", Manufacturer Part Number=RC0805FR-075K9L, Supplier Part Number-1=WR08X5901FTL, Supplier-1=SIRICOM
S1 S2: Manufacturer="C & K", Manufacturer Part No.=B3F1000, Creator="R Kanjee", Date Created="25 February 2015", RS Stock No.=516-255, State="Normaly Open"
S3 S4 S5 S6 S7 S8: library part SW_TACTILE_PTS645SM43SMTR92LFS
U1: "Buck Switching Regulator IC Positive Fixed 3.3V 1 Output 1.5A SC-74A, SOT-753"
U6: library part D5V0P4UR6SO, "16V Clamp 5.5A (8/20µs) Ipp Tvs Diode Surface Mount SOT23-6L"
U7: "USB Charging Port Controller SOT-23-6 Texas Instruments TPS2514DBVT, Battery Charge Controller, 35mA, 6-Pin SOT-23", Manufacturer_Name="Texas Instruments", Mouser Part Number=595-TPS2514DBVT, Arrow Part Number=TPS2514DBVT, Arrow Price/Stock=https://www.arrow.com/en/products/tps2514dbvt/texas-instruments?region=nac, Datasheet Link=http://www.ti.com/lit/ds/symlink/tps2514.pdf, Geometry.Height=1.45mm, Manufacturer_Part_Number=TPS2514DBVT, Mouser Price/Stock=https://www.mouser.co.uk/ProductDetail/Texas-Instruments/TPS2514DBVT?qs=7GxONfNUZSgiiGlogi3JDg%3D%3D

## Via types
v1: diameter 0.6, hole 0.3, Top Layer to Bottom Layer, tented both sides, 183 vias
v2: diameter 0.66, hole 0.3, Top Layer to Bottom Layer, 21 vias
v3: diameter 0.6, hole 0.3, Top Layer to Bottom Layer, 4 vias
v4: diameter 0.6/0.6/0.6/0.6 (per signal layer), hole 0.3, Top Layer to Bottom Layer, tented both sides, 1 vias

## Nets (pads, with @x,y where several pads share a name; then routed paths per layer and width w, separated by ;. In a path a pad name is that pad's centre, name@x,y a point inside that pad or via, vN(x,y) a via of type N, cw(c..) or ccw(c..) an arc to the next point about the centre after c; other vN are vias at no path point)
+3V3: C1.2 C4.2 C5.2 C7.2 C11.2 C12.2 C13.2 C14.2 C16.2 C17.2 C18.2 C19.2 C20.2 C22.2 C26.2 C38.2 J4.2 L2.2 L3.1 R1.1 R2.2 R6.2 R7.2 R8.2 R9.2 R10.2 R11.2 R12.2 R16.1 R22.2 R24.2 R28.2 U2.7 U3.8 U4.1 U4.3 U4.4 U4.37 U4.43 U4.46 | length 83.9
  Top Layer w0.203: U4.37@-7.713,-0.613 -7.713,2.787 -7.3,3.2 C7.2@-7.3,4.5
  Top Layer w0.254: C1.2@-17.9,17.6 -17.9,15.2 -16.8,14.1 U2.7@-15.95,14.1 ; C12.2@-10,-7.5 -8.9,-7.5 -8.227,-6.827 U4.1@-7,-6.827 ; C14.2@-10,-5.6 -9.513,-5.113 U4.46@-7.713,-5.113 ; C13.2@-10,-3.7 -9.913,-3.613 U4.43@-7.713,-3.613 ; U4.3@-6,-6.827 -6,-8.3 -5.4,-8.9 C4.2@-4.5,-8.9 ; U4.4@-5.5,-6.827 -5.494,-6.833 -5.494,-7.906 C4.2@-4.95,-8.45 ; C4.2@-4.1,-9.3 C4.2@-4.1,-8.9
  Top Layer w0.508: C7.2@-6.8,4.5 -6.419,4.881 -5.744,4.881 -5.725,4.9 v1(-5.7,4.9)
  Top Layer w0.635: v1(7.4,-2.45) R2.2@8.8,-2.45
  Top Layer w0.762: v1(-22.337,10.952) R28.2@-20.937,10.952 ; R7.2@-21.15,-12.8 R8.2@-21.15,-9.6 v1(-19.75,-9.6) ; C22.2@-18.431,0.9 C11.2@-16.531,0.9 ; C1.2@-17.9,17.6 -17.85,17.65 C38.2@-16,17.65 ; U3.8@-16.481,2.6 -16.481,0.95 C11.2@-16.531,0.9 ; v1(-16,16.25) C38.2@-16,17.6 C38.2@-16,17.65 ; v1(-14.925,-0.6) -14.925,0.8 ; R22.2@-13.15,0.5 -13.15,0.531 -13.419,0.8 -14.925,0.8 ; L3.1@-10.3,17.7 -10.35,17.65 C38.2@-16,17.65 ; C14.2@-10.2,-5.9 -10,-5.9 v1(-8.8,-5.9) ; R10.2@-6.4,19.575 v1(-6.4,20.925) ; v1(-4.5,-12.3) C5.2@-4.5,-10.9 ; v1(0.86,-8.194) 2.156,-8.194 R24.2@2.2,-8.15 ; R16.1@3.65,-2.9 v1(5.05,-2.9) ; R11.2@3.65,3.1 3.75,3 v1(4.8,3) ; C19.2@3.7,-0.9 v1(5.1,-0.9) ; C20.2@3.7,1 v1(5.1,1) ; v1(6.1,4.6) L2.2@6.1,5.8 ; v1(6.6,-12.8) R9.2@6.6,-11.4 ; R12.2@8.5,-15.1 v1(9.9,-15.1) 11.65,-15.1 R1.1@11.85,-15.3 ; R6.2@12.85,-12.4 v1(14.25,-12.4) ; C11.2@-16.531,0.9 -16.431,0.8 -14.925,0.8
  Top Layer w1.016: C12.2@-10,-7.5 -10,-5.9 C14.2@-10,-5.6 C13.2@-10,-3.7 ; C18.2@-8.7,4.5 C7.2@-7.3,4.5 ; C5.2@-4.5,-10.8 C4.2@-4.5,-9 C4.2@-4.5,-8.9 ; R16.1@3.65,-2.9 R11.2@3.65,3.1 ; J4.2@3.656,8.219 4.075,7.8 C26.2@6,7.8
BT1: C29.2 R6.1 S3.1 S3.2 U4.16 | length 31.3
  Top Layer w0.203: U4.16@-0.787,-4.613 0,-4.613 0.626,-3.987 5.513,-3.987 5.902,-3.598 6.602,-3.598 6.866,-3.334 v1(7.59,-3.334)
  Top Layer w0.254: v1(7.5,-4.61) 7.566,-4.676 7.566,-5.266 8,-5.7 9.017,-5.7 v1(9.808,-6.492)
  Top Layer w0.508: v1(9.733,-10.795) 9.745,-10.784 C29.2@10.416,-10.784
  Top Layer w1.016: C29.2@10.938,-10.838 10.938,-12.388 R6.1@10.95,-12.4
  Bottom Layer w0.203: v1(7.5,-4.61) 7.545,-4.564 7.545,-3.379 v1(7.59,-3.334)
  Bottom Layer w0.381: v1(9.808,-6.492) 9.808,-7.908 11.75,-9.85 11.75,-10.937 S3.1@11.75,-10.942
  Bottom Layer w1.016: v1(9.733,-10.795) 11.608,-10.795 S3.1@11.75,-10.937 ; S3.2@11.75,-18.975 S3.1@11.75,-11.025 S3.1@11.75,-10.942
BT2: C31.2 R9.1 S6.1 S6.2 U4.24 | length 32.9
  Top Layer w0.203: U4.24@-0.787,-0.613 v1(-0.787,0.46)
  Top Layer w0.381: v1(8.2,3.9) v1(10.4,3.9)
  Top Layer w0.508: C31.2@8.6,-9.5 v1(8.6,-8.3)
  Top Layer w1.016: R9.1@6.6,-9.5 C31.2@8.6,-9.5
  Bottom Layer w0.381: v1(-0.787,0.46) -0.127,-0.2 1.6,-0.2 3.9,2.1 6.4,2.1 v1(8.2,3.9) ; v1(10.4,3.9) S6.1@11.4,3.9
  Bottom Layer w0.508: v1(8.6,-8.3) 9,-7.9 9,-5.2 10.225,-3.975 S6.2@11.75,-3.975
  Bottom Layer w1.016: S6.2@11.75,-3.975 S6.1@11.75,3.975
BT3: C34.2 R11.1 S8.1 S8.2 U4.25 | length 30.6
  Top Layer w0.203: U4.25@-1.5,0.1 -1.5,1.1 0.5,3.1 R11.1@1.75,3.1
  Top Layer w0.762: C34.2@1.7,5.1 v1(1.7,6.4)
  Top Layer w1.016: C34.2@1.7,5.1 1.725,5.075 1.725,3.125 R11.1@1.75,3.1
  Bottom Layer w0.381: v1(1.7,6.4) 2.5,7.2 10,7.2 11.75,8.95 S8.2@11.75,11.025
  Bottom Layer w1.016: S8.2@11.75,11.025 11.75,11.15 11.608,11.292 11.483,11.292 10.573,12.202 10.573,13.043 11.75,14.22 S8.1@11.75,18.975
BT4: C35.2 R10.1 S7.1 S7.2 U4.11 | length 51.7
  Top Layer w0.203: U4.11@-2,-6.827 -1.992,-6.834 -1.992,-7.508 -1.7,-7.8 -1.104,-7.8 -0.951,-7.647 v1(-0.844,-7.647)
  Top Layer w0.762: v1(-6.4,16.275) R10.1@-6.4,17.625
  Top Layer w1.016: C35.2@-8.4,17.6 -8.375,17.625 -6.425,17.625 R10.1@-6.4,17.65
  Bottom Layer w0.203: v1(-6.4,16.275) -6.4,16.272 -3.745,13.617 -3.745,9.155 -4.194,8.706 -4.194,7.338 -3.495,6.64 -3.495,4.149 -3.7,3.945 -3.7,2.5 -3.3,2.1 -3.3,0.975 2.405,-4.73 2.405,-5.495 1,-6.9 0.5,-6.9 -0.4,-6 -0.853,-6 -1.5,-6.647 -1.5,-6.991 v1(-0.844,-7.647)
  Bottom Layer w0.762: S7.2@-11.75,17.975 -8.1,17.975 v1(-6.4,16.275)
  Bottom Layer w1.016: S7.1@-11.75,10.025 S7.2@-11.75,17.975
BT5: C32.2 R8.1 S5.1 S5.2 U4.14 | length 41.4
  Top Layer w0.203: U4.14@-0.772,-5.613 0.261,-5.613 0.494,-5.381 0.929,-5.381 v1(1.005,-5.305)
  Top Layer w1.016: R8.1@-23.05,-9.6 v1(-23.05,-6.45)
  Bottom Layer w0.254: S5.1@-11.75,-3.975 -9.225,-3.975 -6.7,-6.5 -2.8,-6.5 -0.923,-4.623 0.323,-4.623 v1(1.005,-5.305)
  Bottom Layer w1.016: v1(-23.05,-6.45) -22.6,-6.9 -20.6,-6.9 -20.1,-6.4 -12.7,-6.4 -11.787,-5.487 -11.787,-4.012 S5.1@-11.75,-3.975 S5.2@-11.75,3.975
BT6: C30.2 R7.1 S4.1 S4.2 U4.13 | length 40.8
  Top Layer w0.203: U4.13@-0.787,-6.113 v1(0.887,-6.113)
  Top Layer w1.016: C30.2@-23.1,-14.8 -23.075,-14.775 -23.075,-12.825 R7.1@-23.05,-12.8 -23.1,-12.75 v1(-23.1,-11.5)
  Bottom Layer w0.305: S4.2@-11.75,-11.025 -11.75,-9.95 -8.9,-7.1 -2.6,-7.1 -1.043,-5.543 0.316,-5.543 v1(0.887,-6.113)
  Bottom Layer w1.016: v1(-23.1,-11.5) -21.4,-13.2 -11.75,-13.2 ; S4.1@-11.75,-18.975 -11.75,-13.2 ; S4.2@-11.75,-11.025 -11.75,-13.2
CC1: J1.A5 R4.1 | length 2.6
  Top Layer w0.254: J1.A5@1.25,15.315 1.25,13.3 R4.1@1.65,12.9
CC2: J1.B5 R5.1 | length 2.6
  Top Layer w0.254: R5.1@-2.15,12.9 -1.75,13.3 J1.B5@-1.75,15.315
CLK: U3.6 U4.31 | length 16.7
  Top Layer w0.203: U3.6@-16.431,5.34 -14.74,5.34 v1(-14.3,4.9) ; v1(-5.86,2.079) -5.279,2.079 -4.5,1.3 U4.31@-4.5,0.1
  GND w0.203: v1(-14.3,4.9) -13.5,4.9 -10.1,1.5 -8.4,1.5 -7.3,0.4 -6.7,0.4 -6.3,0.8 -6.3,1.639 v1(-5.86,2.079)